# Allegro board BeagleBone_AI-64_Rev_B1_PCB_220602.brd (continued)
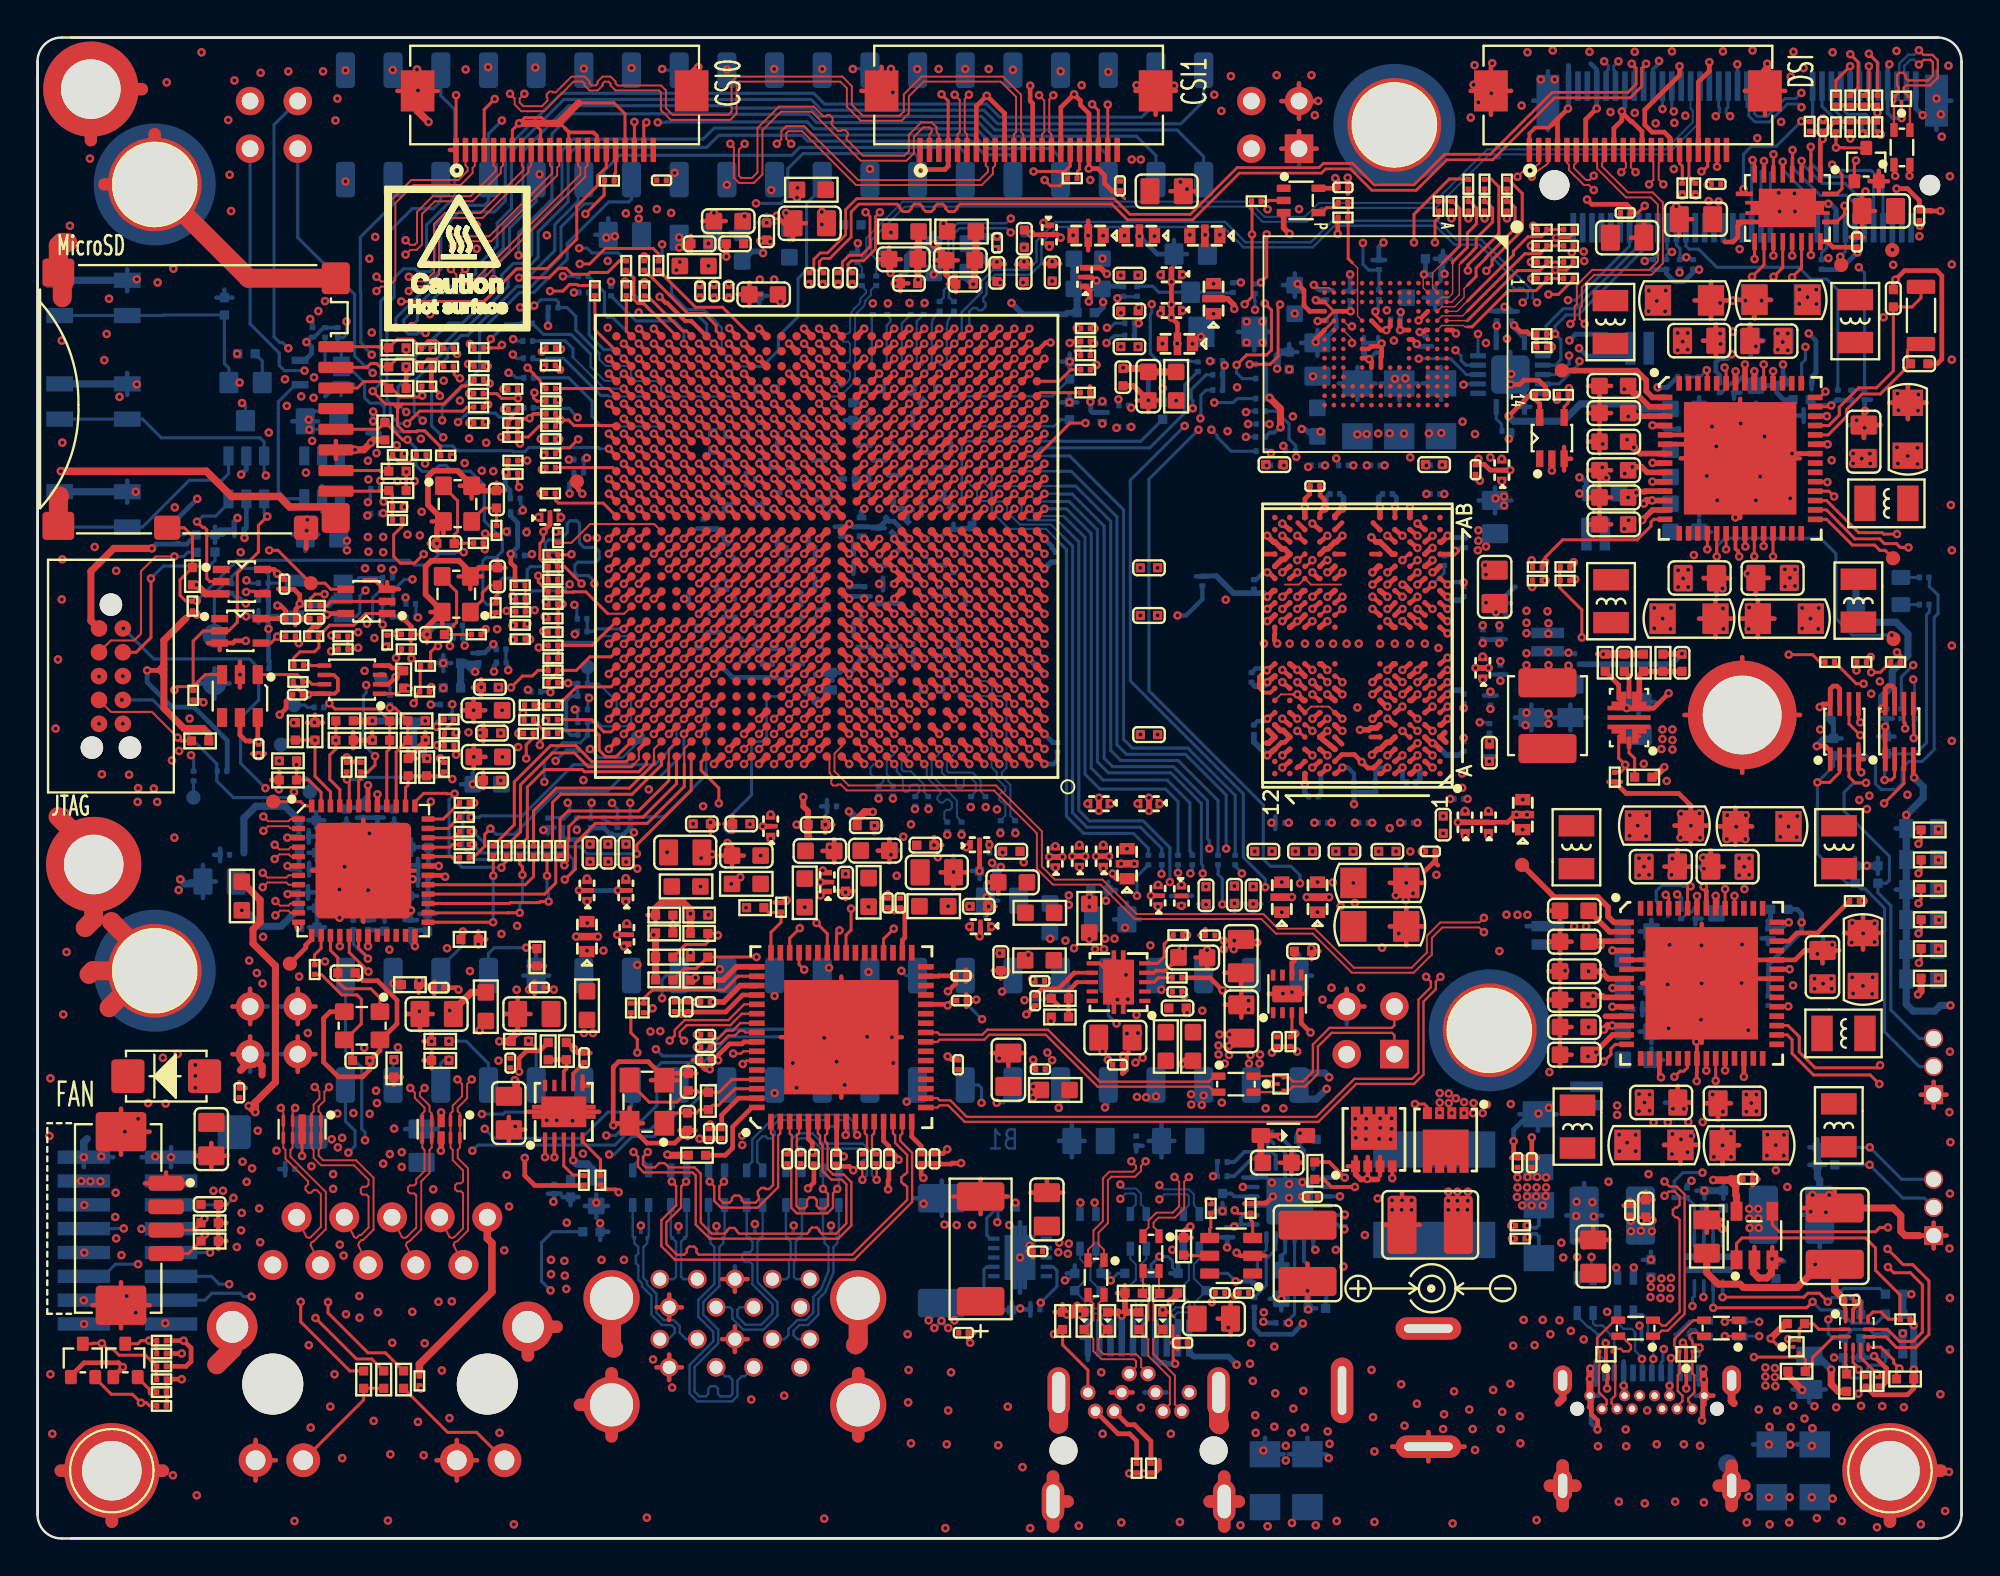
[diagram p0: board, top side]
## Routing (per net, layer and track width the routed paths; a pad name or vN(x,y) marks a point on that pad's centre or on a via; arc(x,y) is an arc through that point) (continued)
M.2_MCASP10_AXR0_1.8V: length 6.4
  TOP w0.165: U32.4 93.97,73.42 v1(93.98,73.42)
  BOTTOM w0.165: v1(93.98,73.42) 94,73.4 94,73.29 95.06,72.23 96.29,72.23 97.31,71.21 J4.12
M.2_MCASP10_AXR3_1.8V: length 7.6
  TOP w0.165: v1(93.5,74.01) 93.5,73.58 93.47,73.55 U32.5
  BOTTOM w0.165: v1(93.5,74.01) 93.5,73.58 93.52,73.56 93.52,73.04 94.97,71.59 96.37,71.59 96.81,71.15 J4.14
M.2_SDIO_RESET#_1V8: length 6.5
  TOP w0.165: Q4.3 96.25,74.12 96.24,74.13 v1(95.81,74.13) 95.81,74.61 95.81,74.61 R359.2
  BOTTOM w0.165: J4.23 94.56,75.51 95.05,75.01 95.43,75.01 95.81,74.64 v1(95.81,74.13)
M.2_SDIO_WAKE#_1V8: length 34
  TOP w0.165: R361.2 96.57,74.96 v1(96.57,74.62)
  L5-SIGNAL w0.102: v1(98.35,65.09) 97.97,65.47 97.97,73.22 v1(96.57,74.62)
  L10-SIGNAL w0.102: v1(98.35,65.09) 97.66,65.09 97.33,65.42 89,65.42 88.47,64.89 87.42,64.89 87.02,64.48 83.87,64.48 v1(82.14,62.75)
  BOTTOM w0.165: v1(82.14,62.75) 82.14,62.63 81.05,61.54 U2.5 ; J4.21 95.06,76.34 96.57,74.84 v1(96.57,74.62)
M.2_SUSCLK: length 15.4
  BOTTOM w0.165: 87.81,69.87 J4.50 87.81,68.89 87.98,68.72 88.49,68.72 89.46,67.76 93.83,67.76 94.46,67.12 95.32,67.12 95.91,66.54 R4.1
M.2_UART1_CTSN_1.8V: length 4.3
  TOP w0.165: U32.8 v1(91.97,73.42)
  BOTTOM w0.165: v1(91.97,73.42) 91.97,73 91.81,72.84 J4.34
M.2_UART1_RTSN_1.8V: length 4.4
  TOP w0.165: U32.9 91.47,73.36 v1(91.36,73.47)
  BOTTOM w0.165: v1(91.36,73.47) 91.36,73.4 91.31,73.35 J4.36
M.2_UART1_RXD_1.8V: length 4.9
  TOP w0.165: U32.6 v1(92.97,73.38)
  BOTTOM w0.165: J4.22 94.81,71.12 92.97,72.96 v1(92.97,73.38)
M.2_UART1_TXD_1.8V: length 5
  TOP w0.165: v1(92.48,73.78) 92.47,73.77 U32.7
  BOTTOM w0.165: J4.32 92.31,72.78 92.48,72.95 v1(92.48,73.78)
MB_3V3: length 0.1
  BOTTOM w0.165: J10.13 v1(2.32,19.05)
  vias: v1(2.82,19.04) v1(3.35,19.04)
MCU_ADC0_AIN0: length 18
  TOP w0.165: R193.1 19.16,48.19 v1(19.12,48.23) 19.07,48.17 18.63,48.17 R187.1
  TOP w0.229: U19.K25 34.03,48.88 v1(33.63,48.48)
  L3-SIGNAL w0.102: v1(19.12,48.23) 19.45,48.55 22.41,48.55 23.7,47.26 26.29,47.26 26.43,47.12 26.85,47.12 28.62,48.89 29.02,48.89 29.38,49.24 33.27,49.24 33.63,48.88 v1(33.63,48.48)
MCU_ADC0_AIN1: length 17.4
  TOP w0.229: v1(32.84,48.48) 33.24,48.88 U19.K26
  L12-SIGNAL w0.102: v1(32.84,48.48) 32.38,48.94 28.84,48.94 27.89,47.98 26.73,47.98 26.43,48.29 25.08,48.29 24.83,48.04 24.13,48.04 24.08,47.99 23.56,47.99 22.99,48.55 19.33,48.55 19.12,48.76 18.83,48.76 18.78,48.71 v1(18.39,48.71)
  BOTTOM w0.165: R148.1 18.36,49.81 18.36,49.14 ; 18.36,49.14 18.38,49.13 R149.1 ; 18.36,49.14 18.36,48.73 v1(18.39,48.71)
MCU_ADC0_AIN2: length 3.3
  TOP w0.229: U19.K28 31.63,48.88 v1(31.23,48.48)
  BOTTOM w0.165: 29.29,48.35 29.29,48.35 29.29,49.02 R117.1 ; 29.29,48.35 29.61,48.35 29.75,48.48 v1(31.23,48.48) ; 29.29,48.35 R116.1
MCU_ADC0_AIN3: length 5.3
  TOP w0.114: U19.L28 31.25,49.29 30.38,49.29
  TOP w0.165: R266.1 27.73,50.46 ; 27.73,50.46 27.73,50.46 27.73,51.11 R263.1 ; 27.73,50.46 28.15,50.46 28.17,50.44 28.53,50.44 28.55,50.46 29.21,50.46 30.38,49.29
MCU_ADC0_AIN4: length 16.4
  TOP w0.229: v1(34.43,48.48) 34.83,48.88 U19.K24
  L12-SIGNAL w0.102: v1(34.43,48.48) 33.7,49.22 29.12,49.22 29.07,49.17 27.94,49.17 27.53,48.76 26.64,48.76 26.27,49.13 25.23,49.13 25.14,49.04 24.94,48.84 20.91,48.84 20.66,49.09 v1(20.27,49.09)
  BOTTOM w0.165: R145.1 20.16,49.81 20.16,49.19 v1(20.27,49.09)
MCU_ADC0_AIN5: length 19
  TOP w0.165: v1(17.08,47.48) 17.07,47.48 17.07,47.49 16.98,47.4 R178.1 R177.1
  TOP w0.229: v1(32.03,48.48) 32.43,48.88 U19.K27
  L5-SIGNAL w0.102: v1(17.08,47.48) 17.75,46.8 18.43,46.8 19.04,47.41 20.5,47.41 21.05,47.96 22.91,47.96 22.92,47.95 23.47,47.95 24.33,47.08 27.23,47.08 28.22,48.07 28.22,48.44 28.62,48.84 31.67,48.84 v1(32.03,48.48)
MCU_ADC0_AIN6: length 4.4
  TOP w0.165: 27.73,47.6 29.56,47.6 30.43,48.48 30.44,48.48 U19.K29 ; 27.73,47.6 R265.1 ; 27.73,47.6 27.73,46.92 27.73,46.92 R271.1
MCU_ADC1_AIN0: length 9.6
  TOP w0.165: R273.1 27.2,52.36 27.73,51.84 27.73,51.79 ; 27.73,51.79 28.08,51.79 28.56,51.32 28.56,51.31 v1(28.98,50.89) ; 27.73,51.79 R262.1
  TOP w0.305: U19.N23 v1(35.25,50.89)
  L3-SIGNAL w0.102: v1(28.98,50.89) 29.36,51.27 34.87,51.27 v1(35.25,50.89)
MCU_I2C0_SCL: length 87
  TOP w0.165: U30.32 95.42,55.82 v1(95.71,55.54)
  TOP w0.229: v1(32.83,47.68) 32.84,47.68 U19.J26
  L3-SIGNAL w0.102: v1(61.54,60.24) 58.85,60.24 58.49,59.88 58.14,59.88 57.88,59.63 57.88,59.08 57.49,58.69 54.01,58.69 53.8,58.48 52.68,58.48 52.43,58.24 52.43,57.92 52.2,57.69 51.89,57.69 51.64,57.45 51.64,56.31 51.41,56.08 51.08,56.08 50.85,55.85 50.85,55.52 50.85,55.51 50.85,55.46 50.68,55.29 50.6,55.29 50.6,55.29 50.28,55.29 50.27,55.29 50.21,55.29 50.04,55.12 50.04,54.4 49.23,53.6 49.23,49.12 48.99,48.88 48.66,48.88 48.44,48.65 48.44,45.92 48.2,45.67 40.67,45.67 40.67,45.67 39.87,45.67 39.87,45.67 37.48,45.67 37.23,45.93 37.23,46.24 37,46.47 36.64,46.47 36.43,46.68 36.43,47.05 36.2,47.28 35.87,47.28 35.64,47.05 35.64,46.73 35.38,46.47 35.08,46.47 34.84,46.72 34.84,47.03 34.59,47.28 33.23,47.28 v1(32.83,47.68)
  L5-SIGNAL w0.102: v1(95.71,55.54) 95.99,55.83 95.99,56.45 91.59,60.85 86.23,60.85 85.93,61.15 85.93,61.97 85.53,62.36 80.05,62.36 78.69,61 67.61,61 67.21,61.41 64.84,61.41 64.16,60.72 63.55,60.72 62.96,60.14 62.05,60.14 61.95,60.24 v1(61.54,60.24)
  BOTTOM w0.165: v1(61.54,60.24) 61.54,60.67 61.47,60.74 61.47,61.24 62.25,62.02 R63.2
MCU_I2C0_SDA: length 83.7
  TOP w0.165: U30.33 95.33,56.32 v1(95.35,56.3)
  TOP w0.229: U19.H25 33.64,46.88 v1(33.63,46.88)
  L3-SIGNAL w0.102: v1(61.95,59.71) 60.91,59.71 59.64,58.44 54.55,58.44 53.8,57.69 52.69,57.69 52.45,57.45 52.45,56.33 52.19,56.08 51.87,56.08 51.63,55.85 51.63,55.52 51.4,55.29 51.07,55.29 50.84,55.06 50.84,54.44 50.04,53.64 50.04,49.11 49.83,48.9 49.82,48.9 49.8,48.89 49.47,48.89 49.24,48.65 49.24,45.12 49,44.87 37.48,44.87 37.24,45.12 37.24,45.13 37.24,45.13 37.24,45.44 36.99,45.69 36.67,45.69 36.64,45.72 36.43,45.93 36.43,46.24 36.2,46.47 35.87,46.47 35.63,46.23 35.63,45.92 35.4,45.69 35.07,45.69 34.83,45.93 34.83,46.24 34.59,46.48 34.03,46.48 v1(33.63,46.88)
  L5-SIGNAL w0.102: v1(95.35,56.3) 95.35,56.71 91.44,60.62 86.13,60.62 85.67,61.08 85.67,61.89 85.43,62.13 80.14,62.13 78.78,60.77 67.51,60.77 67.1,61.18 65.02,61.18 64.34,60.49 63.75,60.49 62.96,59.71 v1(61.95,59.71)
  BOTTOM w0.165: v1(61.95,59.71) 61.97,59.73 61.97,60.94 62.25,61.21 R64.2
MCU_I2C1_I3C0_SCL: length 55.8
  TOP w0.165: v1(20.04,44.52) 20.06,44.54 20.06,44.58 20.17,44.68 20.17,44.96 20.36,45.16 ; R200.2 20.38,46.51 20.38,45.18 20.36,45.16 ; 20.36,45.16 R199.2 ; R245.2 v1(25.61,42.9)
  L3-SIGNAL w0.102: v1(25.61,42.9) 25.17,42.46 22.17,42.46 21.69,42.94 21.69,43.63 21.26,44.06 20.5,44.06 v1(20.04,44.52)
  L5-SIGNAL w0.102: v1(20.04,44.52) 19.53,44.52 19.05,45 18.13,45 17.98,44.85 17.19,44.85 16.66,45.38 11.17,45.38 9.88,44.09 7.9,44.09 6.55,42.74 6.55,40.88 9.19,38.24 9.19,33.24 10.18,32.25 10.18,29.23 9.9,28.95 9.9,21.61 5.54,17.24 v1(5.54,16.5)
  BOTTOM w0.165: v1(5.54,16.5) 6.22,16.5 6.23,16.51 J10.10
MCU_I2C1_I3C0_SDA: length 47.1
  TOP w0.165: v1(19.1,46.93) 19.1,46.93 19.09,46.93 19.09,46.97 19.11,46.97 19.36,47.22 19.36,47.4 R194.2 ; v1(21.28,42.28) 21.49,42.28 21.52,42.24 21.65,42.24 ; R211.2 21.65,42.24 ; 21.65,42.25 21.65,42.76 ; 21.65,42.76 21.65,42.9 21.68,42.94 21.68,43.09 22.1,43.5 22.1,43.53 22.17,43.61 R209.2 ; 21.65,42.76 21.67,42.79 R210.2
  L3-SIGNAL w0.102: v1(19.1,46.93) 19.1,46.52 19.44,46.18 19.44,45.7 19.33,45.58 19.33,44.26 20.65,42.94 21.03,42.94 21.28,42.69 v1(21.28,42.28)
  L5-SIGNAL w0.102: v1(21.28,42.28) 21.13,42.13 16.43,42.13 14.98,40.68 10.46,40.68 9.65,39.87 9.65,33.44 10.69,32.4 10.69,29.07 10.36,28.74 10.36,20.82 10.44,20.74 v1(10.44,18.15)
  BOTTOM w0.165: v1(10.44,18.15) 10.07,17.78 J10.12
MCU_MDIO0_MDC: length 28.9
  TOP w0.165: U15.16 v1(16.1,31.57)
  TOP w0.229: v1(35.23,45.28) 35.63,45.68 U19.F23
  L3-SIGNAL w0.102: v1(35.23,45.28) 34.79,44.84 34.28,44.84 33.99,44.55 33.99,44.33 33.71,44.04 33.49,44.04 33.19,43.75 33.19,43.53 32.98,43.32 32.76,43.32 32.39,42.95 32.39,40.5 32.57,40.33 v1(32.57,39.93)
  L5-SIGNAL w0.102: v1(16.1,31.57) 17.45,32.91 20.91,32.91 26.16,38.16 26.16,39.23 26.85,39.93 v1(32.57,39.93)
MCU_MDIO0_MDIO: length 32.8
  TOP w0.165: U15.17 16.6,31.24 v1(17.63,30.22) ; v1(35.23,44.48) 35.63,44.88 U19.E23
  L5-SIGNAL w0.102: v1(31.57,39.21) 31.2,39.58 26.99,39.58 26.41,39.01 26.41,38.09 21,32.68 17.9,32.68 17.17,31.94 17.17,30.67 v1(17.63,30.22)
  BOTTOM w0.114: 35.62,41.04 35.62,44.09 v1(35.23,44.48)
  BOTTOM w0.165: 31.57,38.46 31.57,38.43 31.59,38.43 31.57,38.41 R102.1 ; 31.57,38.46 v1(31.57,39.21) ; 31.57,38.46 33.38,38.46 35.62,40.71 35.62,41.04
MCU_PORZ_OUT: length 5.4
  TOP w0.165: U19.B28 31.24,42.08 31.23,42.08 30.82,41.67 30.26,41.67 29.92,42.01 29.92,42.82 29.66,43.08 27.88,43.08 27.73,42.92 R261.1
MCU_RESETSTATZ: length 4.1
  TOP w0.229: v1(32.03,42.88) 32.43,43.28 U19.C27
  BOTTOM w0.137: v1(32.03,42.88) 32.03,42.49 31.17,41.62 31.01,41.62
  BOTTOM w0.165: v1(29.44,42.08) 29.9,41.62 31.01,41.62
MCU_RESETZ: length 4.5
  TOP w0.229: v1(31.23,43.68) 31.24,43.68 U19.D28
  BOTTOM w0.114: v1(31.23,43.68) 30.85,44.07 30.85,44.61 30.82,44.63 30.82,44.64 29.9,45.56 29.32,45.56
  BOTTOM w0.165: R111.2 29.32,45.56 29.32,46.43 TP4.1
MCU_RGMII_INT#: length 19.1
  TOP w0.165: U15.44 16.6,40.33 v1(16.48,40.45) 16.47,40.47 R181.2
  TOP w0.229: U19.D29 30.83,44.08 v1(30.43,43.68)
  L3-SIGNAL w0.102: v1(30.43,43.68) 28.51,41.76 28.51,40.65 27.7,39.83 22.74,39.83 v1(22.1,40.48)
  BOTTOM w0.165: v1(22.1,40.48) 22.12,40.48 22.12,40.5 21.97,40.5 21.9,40.57 17.43,40.57 17.31,40.45 v1(16.48,40.45)
MCU_RGMII_RD0: length 18.9
  TOP w0.114: U19.B24 34.45,42.09 34.45,41.28
  TOP w0.165: 23.01,36.99 v1(23.21,36.99) ; v1(28.09,35.12) 28.65,35.68 28.65,37.05 29.72,38.12 32.48,38.12 34.45,40.08 34.45,41.28
  BOTTOM w0.165: v1(23.21,36.99) 23.65,36.54 28.19,36.54 28.55,36.19 28.55,35.58 v1(28.09,35.12)
MCU_RGMII_RD1: length 15.8
  TOP w0.165: v1(31.93,36.49) 31.93,36.97 34.82,39.87 34.82,41.66 U19.A24 ; R214.1 v1(23.2,37.67)
  BOTTOM w0.165: v1(23.2,37.67) 24,36.87 28.9,36.87 29.28,36.49 v1(31.93,36.49)
MCU_RGMII_RD2: length 14.7
  TOP w0.165: 23.01,38.44 23.11,38.44 v1(23.11,38.45)
  TOP w0.229: v1(34.44,43.68) 34.44,43.68 U19.D24
  BOTTOM w0.114: v1(34.44,43.68) 34.03,43.28 34.03,42.38 33.81,42.16
  BOTTOM w0.165: 33.81,42.16 32.89,41.24 28.55,41.24 25.82,38.52 23.61,38.52 23.54,38.45 v1(23.11,38.45)
MCU_RGMII_RD3: length 19
  TOP w0.165: U19.A25 34.04,40.23 32.26,38.45 28.81,38.45 28.3,37.94 28.3,37.24 28.24,37.19 28.24,36.13 28.06,35.95 v1(28.06,35.88) ; R212.1 23.01,39.21 23.02,39.21 v1(23.26,39.21)
  BOTTOM w0.165: v1(23.26,39.21) 22.65,38.6 22.65,36.87 23.34,36.18 27.76,36.18 v1(28.06,35.88)
MCU_RGMII_RST#: length 24.3
  TOP w0.165: U15.43 17.1,40.37 17.22,40.48 17.22,40.83 ; 17.22,40.83 17.59,40.83 17.98,41.23 v1(17.98,41.7) ; 17.22,40.83 R182.2
  TOP w0.229: v1(32.83,46.88) 33.23,47.28 U19.H26
  L5-SIGNAL w0.102: v1(17.51,45.49) 19.18,45.49 19.78,46.09 22.38,46.09 22.64,45.83 25.14,45.83 25.73,46.42 28.41,46.42 29.24,47.24 32.47,47.24 v1(32.83,46.88)
  BOTTOM w0.165: v1(17.51,45.49) 17.51,45.06 17.37,44.93 17.37,42.31 v1(17.98,41.7)
MCU_RGMII_RX_CTL: length 14.1
  TOP w0.165: v1(21.45,41.59) 21.65,41.39 R205.1
  TOP w0.229: v1(33.64,42.88) 33.64,42.88 U19.C25
  L5-SIGNAL w0.102: v1(33.64,42.88) 33.27,42.52 31.08,42.52 31.04,42.56 27.89,42.56 26.29,40.96 22.49,40.96 21.86,41.59 v1(21.45,41.59)
MCU_RGMII_RXC: length 16
  TOP w0.165: v1(24.13,37.84) 23.82,37.53 23.82,36.9 23.21,36.28 R216.1
  TOP w0.229: v1(34.44,42.88) 34.44,42.88 U19.C24
  BOTTOM w0.165: v1(24.13,37.84) 24.43,37.54 25.4,37.54 27.68,39.82 30.35,39.82 31.09,40.56 33.12,40.56 34.44,41.87 v1(34.44,42.88)
MCU_RGMII_TD0: length 10.3
  TOP w0.114: U19.B25 33.63,42.07 33.63,41.36
  TOP w0.165: 33.63,41.36 33.63,40.39 32.02,38.78 28.27,38.78 27.83,38.34 R275.1
MCU_RGMII_TD1: length 9.5
  TOP w0.165: R249.1 27.14,36.92 27.43,37.22 27.43,39.24 27.86,39.67 31.67,39.67 33.24,41.23 U19.A26
MCU_RGMII_TD2: length 10.7
  TOP w0.165: R237.1 25.69,36.92 26.09,37.33 26.09,40.06 27.02,40.99 29.02,40.99 29.14,40.87 32.03,40.87 32.44,41.27 U19.A27
MCU_RGMII_TD3: length 11.4
  TOP w0.165: R225.1 24.28,36.94 24.3,36.94 25.4,38.05 25.4,40.33 27.33,42.26 28.68,42.26 29.54,41.4 31.36,41.4 U19.A28
MCU_RGMII_TX_CTL: length 12.2
  TOP w0.114: 31.77,41.27 32.03,41.53 32.03,42.07 32.04,42.08
  TOP w0.165: R230.1 24.99,36.92 25.73,37.66 25.73,40.17 27.42,41.87 28.6,41.87 29.34,41.13 31.64,41.13 31.77,41.27
  TOP w0.229: 32.04,42.08 U19.B27
MCU_RGMII_TXC: length 10.7
  TOP w0.114: 32.84,41.47 32.84,42.08 U19.B26
  TOP w0.165: 32.84,41.47 32.84,41.3 32.14,40.6 32.14,40.6 31.53,40 27.63,40 26.42,38.79 R248.1
MCU_SAFETY_ERRZ: length 82.3
  TOP w0.165: U30.18 v1(88.95,52.72)
  TOP w0.229: U19.D27 32.43,44.08 v1(32.03,43.68)
  L3-SIGNAL w0.102: v1(85.57,41.29) 85.57,42.99 85.77,43.2 85.77,43.22 87.4,44.85 87.4,46.02 88.64,47.26 88.64,52.41 v1(88.95,52.72) ; v1(32.03,43.68) 32.03,43.39 31.67,43.03 31.67,40.15 30.97,39.45 30.97,36.22 30.96,36.21 30.96,35.91 31.19,35.68 31.49,35.68 31.52,35.7 v1(31.95,35.7)
  L5-SIGNAL w0.102: v1(73.13,36.62) 72.34,35.83 64.68,35.83 64.41,36.11 59.45,36.11 58.08,34.74 56.32,34.74 56.18,34.88 44.13,34.88 43.13,33.87 41.5,33.87 40.71,34.66 38.53,34.66 37.9,34.03 34.57,34.03 32.89,35.7 v1(31.95,35.7)
  L10-SIGNAL w0.102: v1(85.57,41.29) 85.06,40.78 82.9,40.78 78.28,36.16 73.59,36.16 v1(73.13,36.62)
MMC0_CALPAD_R: length 2.4
  TOP w0.165: R301.1 53.43,61.07 U19.AE1
MMC0_CLK: length 2.6
  TOP w0.165: R305.1 55.04,62.3 54.42,61.68 U19.AF1
MMC0_CMD: length 5.1
  TOP w0.165: v1(55.42,63.29) 55.55,63.16 55.55,63.06 R304.1
  TOP w0.229: U19.AE3 52.04,61.28 v1(52.04,61.29)
  L3-SIGNAL w0.102: v1(55.42,63.29) 54.94,63.29 53.34,61.69 52.44,61.69 v1(52.04,61.29)
MMC0_DAT0: length 32.4
  TOP w0.165: R325.1 77.46,72.44 77.85,72.05 77.85,69.54 76.2,67.89 v1(76.2,67.58)
  TOP w0.229: U19.AG2 52.84,62.88 v1(52.84,62.89)
  L3-SIGNAL w0.102: v1(52.84,62.89) 53.48,63.53 53.48,63.95 55.85,66.31 57.1,66.31 57.38,66.6 60.89,66.6 62.16,67.87 75.91,67.87 v1(76.2,67.58)
MMC0_DAT1: length 34.1
  TOP w0.165: v1(80.9,69.33) 81.61,69.33 81.83,69.56 81.83,69.77 R340.1
  TOP w0.229: v1(53.97,63.75) 53.7,63.75 U19.AH1
  L3-SIGNAL w0.102: v1(53.97,63.75) 53.97,64.05 55.37,65.45 56.92,65.45 57.2,65.73 57.69,65.73 58.3,66.34 61.14,66.34 62.41,67.61 68.7,67.61 69.31,67 77.44,67 77.98,67.54 79.9,67.54 80.39,67.04 80.82,67.04 81.23,67.45 81.23,68.52 80.9,68.85 v1(80.9,69.33)
MMC0_DAT2: length 33.9
  TOP w0.165: 81.83,68.01 81.81,68.03 R342.1 ; 81.83,68.01 81.83,68.03 ; 81.83,68.01 81.83,67.98 81.46,67.61 v1(80.85,67.61)
  TOP w0.229: U19.AG3 52.04,62.88 v1(52.04,62.89)
  L3-SIGNAL w0.102: v1(80.85,67.61) 80.04,68.41 79.4,68.41 79.36,68.38 57.46,68.38 56.87,67.78 56.08,67.78 55.8,67.5 55.8,67.15 53.34,64.69 53.34,64.46 53.01,64.13 52.77,64.13 52.48,63.84 52.48,63.33 v1(52.04,62.89)
MMC0_DAT3: length 31.1
  TOP w0.165: R321.1 74.63,70.38 74.45,70.2 v1(74.45,69.08)
  TOP w0.229: U19.AF4 51.24,62.08 v1(51.24,62.09)
  L3-SIGNAL w0.102: v1(51.24,62.09) 51.64,62.48 51.64,63.79 51.89,64.05 52.12,64.05 52.4,64.33 52.4,65.14 52.77,65.51 52.91,65.51 53.16,65.26 53.3,65.26 53.44,65.4 53.44,65.55 53.2,65.79 53.2,65.94 53.6,66.34 54.58,66.34 55.52,67.28 55.52,68.19 55.96,68.63 74,68.63 v1(74.45,69.08)
MMC0_DAT4: length 36.8
  TOP w0.165: v1(73.33,69.08) 73.33,70.58 75.21,72.46 76.22,72.46 R323.1
  TOP w0.229: v1(50.44,61.29) 50.44,61.28 U19.AE5
  L3-SIGNAL w0.102: v1(73.33,69.08) 72.96,69.45 70.27,69.45 69.94,69.11 60.52,69.11 59.23,70.4 54.56,70.4 52.92,68.77 52.92,66.37 51.52,64.96 51.21,64.96 50.88,64.64 50.88,64.42 50.59,64.13 50.37,64.13 50.08,63.84 50.08,61.65 v1(50.44,61.29)
MMC0_DAT5: length 35.5
  TOP w0.165: R327.1 78.35,72.44 79.09,71.7 79.09,69.74 77.49,68.13 77.49,67.87 v1(77.18,67.56)
  TOP w0.229: v1(52.04,62.09) 52.04,62.08 U19.AF3
  L3-SIGNAL w0.102: v1(77.18,67.56) 76.62,68.12 58.38,68.12 58.09,67.83 58.09,67.1 57.86,66.87 57.27,66.87 57.08,66.68 55.79,66.68 53.72,64.61 53.72,64.51 53.28,64.07 53.28,63.61 52.99,63.33 52.77,63.33 52.47,63.03 52.47,62.52 v1(52.04,62.09)
MMC0_DAT6: length 34
  TOP w0.165: R341.1 81.83,68.9 81.83,68.69 81.74,68.6 v1(81.74,68.55)
  TOP w0.229: U19.AG1 53.64,62.88 v1(53.64,62.89)
  L3-SIGNAL w0.102: v1(53.64,62.89) 53.9,63.15 54.14,63.15 54.35,63.36 54.35,64.07 55.2,64.91 57.82,64.91 58.08,65.17 58.95,65.17 59.43,64.69 61.03,64.69 61.83,65.49 61.83,66.63 62.53,67.33 68.07,67.33 68.7,66.69 80.85,66.69 81.74,67.58 v1(81.74,68.55)
MMC0_DAT7: length 32.1
  TOP w0.165: v1(80.49,66.31) 81.02,66.31 81.81,67.1 R343.1
  TOP w0.229: U19.AF2 52.84,62.08 v1(52.84,62.09)
  L3-SIGNAL w0.102: v1(80.49,66.31) 80.41,66.31 80.35,66.37 63.18,66.37 61.21,64.41 57.54,64.41 57.22,64.09 55.14,64.09 55.1,64.13 54.85,64.13 54.62,63.9 54.62,63.33 53.38,62.09 v1(52.84,62.09)
MMC0_DS: length 29.1
  TOP w0.229: U19.AE4 51.24,61.28 v1(51.24,61.28)
  L3-SIGNAL w0.102: v1(70.61,69.05) 70.2,69.05 70.03,68.88 55.73,68.88 55.19,68.34 55.19,67.52 54.31,66.64 53.54,66.64 51.68,64.78 51.68,64.42 51.39,64.13 51.17,64.13 50.88,63.84 50.88,61.64 v1(51.24,61.28)
  BOTTOM w0.165: R40.1 71.46,67.61 ; 71.46,67.61 R41.2 ; 71.46,67.61 70.91,67.61 70.61,67.91 v1(70.61,69.05)
MMC1_CLK: length 16.1
  TOP w0.229: v1(33.63,51.68) 34.03,52.08 U19.P25
  L12-SIGNAL w0.102: v1(33.63,51.68) 33.24,51.29 30.06,51.29 v1(29.67,50.89)
  BOTTOM w0.165: R122.1 27.76,50.93 27.76,52.38 27.59,52.54 27.23,52.54 27.05,52.72 27.05,53.05 27.23,53.23 27.84,53.23 28.22,53.61 28.22,54.09 28.37,54.25 28.73,54.25 28.87,54.1 28.87,53.06 29.11,52.82 29.72,52.82 29.92,52.62 29.92,52.21 29.74,52.04 28.78,52.04 28.62,51.88 28.62,51.48 28.78,51.32 29.36,51.32 29.67,51.02 v1(29.67,50.89)
MMC1_CMD: length 39.6
  TOP w0.165: 20.47,60.98 20.47,60.91 v1(20.5,60.91) ; 20.47,60.98 20.42,60.98 20.29,60.84 19.52,60.84 19.33,60.84 18.87,61.3 D27.2 18.35,61.66 17.38,61.66 17.04,61.32 J12.3 ; 20.47,60.98 20.47,61.08 20.45,61.1 20.45,61.43 20.47,61.41 R203.2
  TOP w0.229: U19.R29 30.83,52.88 v1(30.43,52.48)
  L12-SIGNAL w0.102: v1(20.5,60.91) 19.92,60.91 19.23,60.21 19.23,59.4 18.64,58.82 16.81,58.82 16.2,58.2 16.2,58.06 16.63,57.63 16.63,57.49 16.48,57.35 16.34,57.35 15.91,57.77 15.77,57.77 15.44,57.45 15.44,56.47 15.54,56.37 15.85,56.37 15.95,56.27 15.95,56.06 15.85,55.96 15.54,55.96 15.44,55.86 15.44,55.66 15.54,55.55 15.85,55.55 15.95,55.45 15.95,55.25 15.85,55.15 15.54,55.15 15.44,55.05 15.44,54.84 15.54,54.74 15.85,54.74 15.95,54.64 15.95,54.44 15.85,54.34 15.54,54.34 15.44,54.23 15.44,54.03 15.54,53.93 15.85,53.93 15.95,53.83 15.95,53.62 15.85,53.52 15.54,53.52 15.44,53.42 15.44,53.08 16.41,52.11 19.53,52.11 20.38,51.27 20.38,50.49 20.52,50.35 23.94,50.35 24.84,51.25 26.03,51.25 26.57,51.78 29.56,51.78 30.27,52.48 v1(30.43,52.48)
MMC1_DAT0: length 32.3
  TOP w0.165: v1(20.65,57.29) 20.72,57.37 20.72,57.74 R198.1
  TOP w0.229: U19.R24 34.44,52.48 v1(34.43,52.48)
  L12-SIGNAL w0.102: v1(20.65,57.29) 20.65,56.15 20.34,55.85 16.56,55.85 16.25,55.54 16.25,55.33 16.36,55.22 16.74,55.22 16.84,55.12 16.84,54.92 16.74,54.82 16.36,54.82 16.25,54.72 16.25,53.99 16.41,53.84 16.55,53.84 17.03,54.32 17.17,54.32 17.32,54.17 17.32,54.03 16.84,53.55 16.84,53.41 17.27,52.98 19.49,52.98 19.59,52.87 19.59,52.52 19.69,52.42 19.89,52.42 19.99,52.52 19.99,52.87 20.09,52.98 20.78,52.98 21.74,52.01 24.08,52.01 24.95,52.88 27.84,52.88 28.62,53.66 29.05,53.66 29.12,53.74 33.74,53.74 34.03,53.45 34.03,53.03 34.43,52.62 v1(34.43,52.48)
MMC1_DAT1: length 33.9
  TOP w0.165: v1(20.57,52.47) 20.09,51.99 19.33,51.99 18.97,52.34 18.97,53.5 19.45,53.98 19.45,54.29 R190.1
  TOP w0.229: v1(34.43,51.68) 34.44,51.68 U19.P24
  L12-SIGNAL w0.102: v1(34.43,51.68) 34.43,51.79 34.03,52.2 34.03,52.65 33.79,52.88 33.25,52.88 33.14,52.99 33.14,53.33 33.04,53.43 32.84,53.43 32.74,53.33 32.74,52.99 32.64,52.88 32.23,52.88 32.13,52.78 32.13,52.44 32.02,52.34 31.82,52.34 31.72,52.44 31.72,52.78 31.62,52.88 31.42,52.88 31.31,52.78 31.31,52.44 31.21,52.34 31.01,52.34 30.91,52.44 30.91,52.78 30.81,52.88 29.49,52.88 29.39,52.78 29.39,52.11 29.29,52.01 29.09,52.01 28.99,52.11 28.99,52.78 28.88,52.88 28.3,52.88 28.06,52.65 28.06,52.26 27.89,52.09 27.58,52.09 27.48,52.19 27.48,52.47 27.38,52.58 27.17,52.58 27.07,52.47 27.07,52.19 26.97,52.09 25.46,52.09 25.35,51.99 25.35,51.65 25.25,51.55 25.05,51.55 24.95,51.65 24.95,51.99 24.85,52.09 24.61,52.09 24.23,51.71 23.79,51.71 23.68,51.6 23.68,50.75 23.58,50.65 23.38,50.65 23.28,50.75 23.28,51.6 23.18,51.71 22.97,51.71 22.87,51.6 22.87,50.75 22.77,50.65 22.57,50.65 22.46,50.75 22.46,51.6 22.36,51.71 22.16,51.71 22.06,51.6 22.06,50.75 21.96,50.65 21.75,50.65 21.65,50.75 21.65,51.6 21.55,51.71 21.33,51.71 21.23,51.6 21.23,50.77 21.13,50.66 20.81,50.66 20.68,50.79 20.68,51.97 20.57,52.07 v1(20.57,52.47)
MMC1_DAT2: length 38.5
  TOP w0.165: v1(22.35,63.14) 22.15,63.34 R207.1
  TOP w0.229: v1(33.63,52.48) 34.03,52.88 U19.R25
  L12-SIGNAL w0.102: v1(33.63,52.48) 33.63,52.24 34.03,51.85 34.03,51.47 33.04,50.49 28.51,50.49 28.51,50.48 28.19,50.48 28.19,50.49 26.41,50.49 26.28,50.61 25.07,50.61 24.18,49.72 18.97,49.72 18.54,50.16 17.3,50.16 14.81,52.65 14.81,57.67 17.78,60.65 18.79,60.65 20.27,62.12 21.73,62.12 22.35,62.74 v1(22.35,63.14)
MMC1_DAT3: length 35.4
  TOP w0.165: R208.1 22.17,62.47 22.2,62.44 22.2,62.04 22.43,61.81 22.5,61.81 v1(22.5,61.84)
  TOP w0.229: v1(32.83,52.48) 32.84,52.48 U19.R26
  L12-SIGNAL w0.102: v1(32.83,52.48) 32.43,52.08 30.22,52.08 29.46,51.32 28.17,51.32 27.76,50.92 24.94,50.92 24.05,50.03 20.27,50.03 19.76,50.54 18.24,50.54 17.83,50.94 17.02,50.94 15.14,52.82 15.14,57.57 16.69,59.12 18.08,59.12 18.49,59.53 18.49,59.91 19.89,61.31 21.97,61.31 v1(22.5,61.84)
MMC1_SDCD: length 37.4
  TOP w0.165: J12.10 7.82,53.87 8.25,53.43 D22.2 7.59,51.09 7.59,50.27 7.88,49.98 v1(8.48,49.98) 8.46,49.95 R161.2
  TOP w0.229: U19.P23 35.63,52.08 v1(35.23,51.68)
  L12-SIGNAL w0.102: v1(35.23,51.68) 34.83,52.09 34.83,53.45 34.31,53.97 28.5,53.97 27.72,53.19 24.82,53.19 24.71,53.08 23.95,52.32 23.35,52.32 23.1,52.57 v1(22.71,52.57)
  BOTTOM w0.165: v1(8.48,49.98) 10.64,52.14 19.81,52.14 20.06,51.88 20.8,51.88 21.42,52.5 22.21,52.5 22.28,52.57 v1(22.71,52.57)
MMC2_CLK: length 6.1
  TOP w0.114: U19.T26 32.85,54.07 29.44,54.07 28.44,53.07 27.72,53.07 R274.1
MMC2_CLK_R: length 98.3
  TOP w0.165: R366.2 98.02,78.68 v1(97.56,79.14) ; v1(27.61,53.66) 27.61,53.66 27.61,53.69 27.66,53.69 27.72,53.63
  L10-SIGNAL w0.102: v1(76.35,75.73) 76.35,74.16 74.9,72.71 74.5,72.71 73.56,71.77 70.81,71.77 70.51,72.08 68.55,72.08 67.56,73.07 63.88,73.07 61.39,75.56 46.78,75.56 44.96,73.73 37.07,73.73 35.28,71.94 31.2,71.94 30.39,71.12 30.39,70.62 29.26,69.49 29.26,67.76 28.2,66.7 28.2,66.26 28.29,66.17 28.29,59.78 28.32,59.76 28.32,58.39 27.94,58 27.94,55.41 27.52,55 27.52,54.15 27.61,54.05 v1(27.61,53.66)
  L12-SIGNAL w0.102: v1(97.56,79.14) 96.93,78.51 96.93,78.11 96.35,77.54 90.45,77.54 89.81,76.9 81.35,76.9 80.19,75.73 v1(76.35,75.73)
  BOTTOM w0.165: 98.06,77.17 J4.9 98.06,78.64 v1(97.56,79.14)
MMC2_CMD: length 97.6
  TOP w0.165: v1(97.56,78.47) 97.56,77.2 97.3,76.94 R363.2
  TOP w0.229: U19.T25 34.03,53.68 v1(33.63,53.28)
  L3-SIGNAL w0.102: v1(97.56,78.47) 96.88,77.79 94.66,77.79 v1(94.08,78.38)
  L10-SIGNAL w0.102: v1(94.08,78.38) 94.08,77.98 92.64,76.55 89.36,76.55 87.98,75.18 87.98,72.64 87.75,72.41 87.26,72.41 87.03,72.64 86.27,72.64 84.52,74.39 83.77,74.39 83.66,74.29 83.66,73.93 83.56,73.83 83.36,73.83 83.26,73.93 83.26,74.29 83.16,74.39 82.95,74.39 82.85,74.29 82.85,73.93 82.75,73.83 82.55,73.83 82.44,73.93 82.44,74.29 82.34,74.39 82.14,74.39 82.04,74.29 82.04,73.93 81.94,73.83 81.73,73.83 81.63,73.93 81.63,74.29 81.53,74.39 81.33,74.39 81.23,74.29 81.23,73.93 81.12,73.83 80.92,73.83 80.82,73.93 80.82,74.29 80.72,74.39 80.51,74.39 80.41,74.29 80.41,73.93 80.31,73.83 80.11,73.83 80.01,73.93 80.01,74.29 79.9,74.39 79.7,74.39 79.6,74.29 79.6,73.93 79.5,73.83 79.3,73.83 79.19,73.93 79.19,74.29 79.09,74.39 78.83,74.39 78.56,74.12 78.56,73.68 75.66,70.78 75.22,70.78 74.38,69.94 69.92,69.94 69.67,70.2 64.35,70.2 63.92,70.63 61.34,70.63 59.97,72 49.05,72 44.17,67.12 44.17,66.87 43.46,66.16 43.46,65.55 42.96,65.05 42.51,65.05 42.41,65.15 42.41,66.26 42.31,66.36 42.11,66.36 42.01,66.26 42.01,65.15 41.9,65.05 41.7,65.05 41.6,65.15 41.6,66.26 41.5,66.36 41.29,66.36 41.19,66.26 41.19,65.15 41.09,65.05 40.89,65.05 40.4,64.56 40.4,63.53 38.51,61.65 38.28,61.65 38.07,61.43 38.07,61.14 37.86,60.92 37.51,60.92 37.19,60.61 37.19,60.34 36.98,60.12 36.71,60.12 36.4,59.81 36.4,59.54 36.18,59.32 35.91,59.32 35.61,59.02 35.61,58.69 34.8,57.89 34.8,54.45 v1(33.63,53.28)
  BOTTOM w0.165: v1(97.56,78.47) J4.11 97.56,77.17
MMC2_DAT0: length 97.7
  TOP w0.165: 96.57,76.94 96.59,76.94 ; 96.59,76.94 96.99,77.34 96.99,78.69 v1(96.57,79.11) ; 96.59,76.94 96.57,76.92 R360.2
  TOP w0.229: v1(34.43,53.28) 34.83,53.68 U19.T24
  L10-SIGNAL w0.102: v1(34.43,53.28) 34.93,53.78 35.48,53.78 36.44,54.73 36.44,55.84 36.68,56.08 37.05,56.08 37.24,56.27 37.24,57.45 37.47,57.68 37.84,57.68 38.04,57.88 38.04,58.25 38.28,58.49 38.61,58.49 38.84,58.72 38.84,58.82 38.84,58.83 38.84,59.05 39.08,59.29 39.4,59.29 39.63,59.52 39.63,59.84 39.87,60.08 40.21,60.08 40.44,60.31 40.44,60.69 40.65,60.89 41,60.89 41.23,61.12 41.23,61.44 41.47,61.68 41.82,61.68 42.04,61.9 42.04,62.25 42.27,62.48 42.59,62.48 45.5,65.4 48.44,65.4 48.85,65.8 48.85,66.82 48.95,66.92 49.15,66.92 49.26,66.82 49.26,65.8 49.36,65.7 49.71,65.7 50.43,66.43 50.43,68.19 50.33,68.29 50.01,68.29 49.91,68.39 49.91,68.59 50.01,68.7 50.33,68.7 50.43,68.8 50.43,70.18 51.31,71.06 59.54,71.06 60.86,69.74 60.86,69.46 61.24,69.08 63.24,69.08 63.68,68.65 69.37,68.65 69.59,68.42 77.14,68.42 79.35,70.63 79.93,70.63 80.47,70.1 95.93,70.1 96.64,70.81 96.64,72.41 97.46,73.22 97.46,73.63 97.2,73.88 96.65,73.88 96.53,73.77 95.59,73.77 95.4,73.96 95.4,74.34 95.55,74.49 95.55,74.97 96.02,75.44 96.02,75.91 95.92,76.01 95.68,76.01 95.58,76.12 95.58,76.32 95.68,76.42 95.92,76.42 96.02,76.52 96.02,76.73 95.92,76.83 95.68,76.83 95.58,76.93 95.58,77.13 95.68,77.23 95.92,77.23 96.02,77.34 96.02,78.57 v1(96.57,79.11)
  BOTTOM w0.165: v1(96.57,79.11) 97.06,78.62 J4.13 97.06,77.17
MMC2_DAT1: length 96.4
  TOP w0.165: R358.2 95.81,77.71 v1(96.56,78.47)
  TOP w0.229: v1(32.03,53.28) 32.43,53.68 U19.T27
  L10-SIGNAL w0.102: v1(32.03,53.28) 32.28,53.28 32.68,52.88 33,52.88 33.23,52.65 33.23,52.33 33.47,52.09 36.2,52.09 36.43,52.32 36.43,53.66 37.24,54.47 37.24,55.84 37.24,55.85 37.48,56.09 37.8,56.09 38.03,56.32 38.03,57.43 38.29,57.69 38.6,57.69 38.83,57.92 38.83,58.27 39.05,58.49 39.4,58.49 39.63,58.72 39.63,59.04 39.87,59.28 40.23,59.28 40.44,59.5 40.44,59.85 40.67,60.08 41.01,60.08 41.23,60.3 41.23,60.64 41.47,60.88 41.81,60.88 42.04,61.11 42.04,61.45 42.28,61.69 42.6,61.69 43.68,62.77 43.68,63.04 45.78,65.14 49.15,65.14 49.27,65.27 49.66,65.27 50.66,66.27 50.66,70.03 51.43,70.81 59.47,70.81 60.62,69.65 60.62,69.27 61.04,68.85 63.03,68.85 63.47,68.42 69.26,68.42 69.49,68.19 77.32,68.19 79.5,70.37 79.86,70.37 80.36,69.87 81.5,69.87 81.6,69.77 81.6,69.49 81.7,69.38 81.9,69.38 82.01,69.49 82.01,69.77 82.11,69.87 82.31,69.87 82.41,69.77 82.41,69.49 82.51,69.38 82.72,69.38 82.82,69.49 82.82,69.77 82.92,69.87 96.11,69.87 96.87,70.63 96.87,72.18 97.74,73.04 97.74,73.8 97.38,74.16 96.39,74.16 96.14,74.41 96.14,74.87 96.56,75.3 v1(96.56,78.47)
  BOTTOM w0.165: v1(96.56,78.47) J4.15 96.56,77.17
MMC2_DAT2: length 97.4
  TOP w0.165: v1(98.19,74.82) 98.15,74.82 98.02,74.96 R367.2
  TOP w0.229: U19.T29 30.83,53.68 v1(30.43,53.28)
  L10-SIGNAL w0.102: v1(30.43,53.28) 30.84,52.88 30.84,52.32 31.09,52.08 32.2,52.08 32.43,51.85 32.43,51.53 32.68,51.28 33,51.28 33.24,51.03 33.24,50.72 33.47,50.49 39.4,50.49 39.64,50.73 39.64,57.44 39.87,57.68 40.19,57.68 40.43,57.92 40.43,58.24 40.67,58.48 40.99,58.48 41.24,58.73 41.24,59.08 41.45,59.28 41.78,59.28 41.78,59.29 41.8,59.29 42.03,59.52 42.03,59.84 42.29,60.09 42.6,60.09 43.64,61.14 43.64,61.45 43.87,61.68 44.19,61.68 44.44,61.93 44.44,62.3 45.47,63.33 45.79,63.33 46,63.54 46,63.86 46.27,64.13 49.07,64.13 49.25,64.3 49.25,64.61 49.49,64.85 49.88,64.85 52.96,67.92 52.96,68.93 54.38,70.35 59.23,70.35 59.92,69.66 59.92,69.26 60.78,68.39 62.84,68.39 63.3,67.94 68.83,67.94 69.8,66.97 77.13,66.97 78.3,68.14 78.3,68.41 79.25,69.36 79.96,69.36 81.99,67.33 84.05,67.33 84.35,67.63 85.88,67.63 86.15,67.91 88.26,67.91 89.66,69.31 96.28,69.31 98.25,71.27 98.25,74.38 98.19,74.43 v1(98.19,74.82)
  BOTTOM w0.165: v1(98.19,74.82) 97.89,75.12 97.89,75.4 97.38,75.91 96.43,75.91 96.06,76.28 J4.17
